# Allegro board Coral-Dev-Board-baseboard-layout-Allegro.brd (continued)
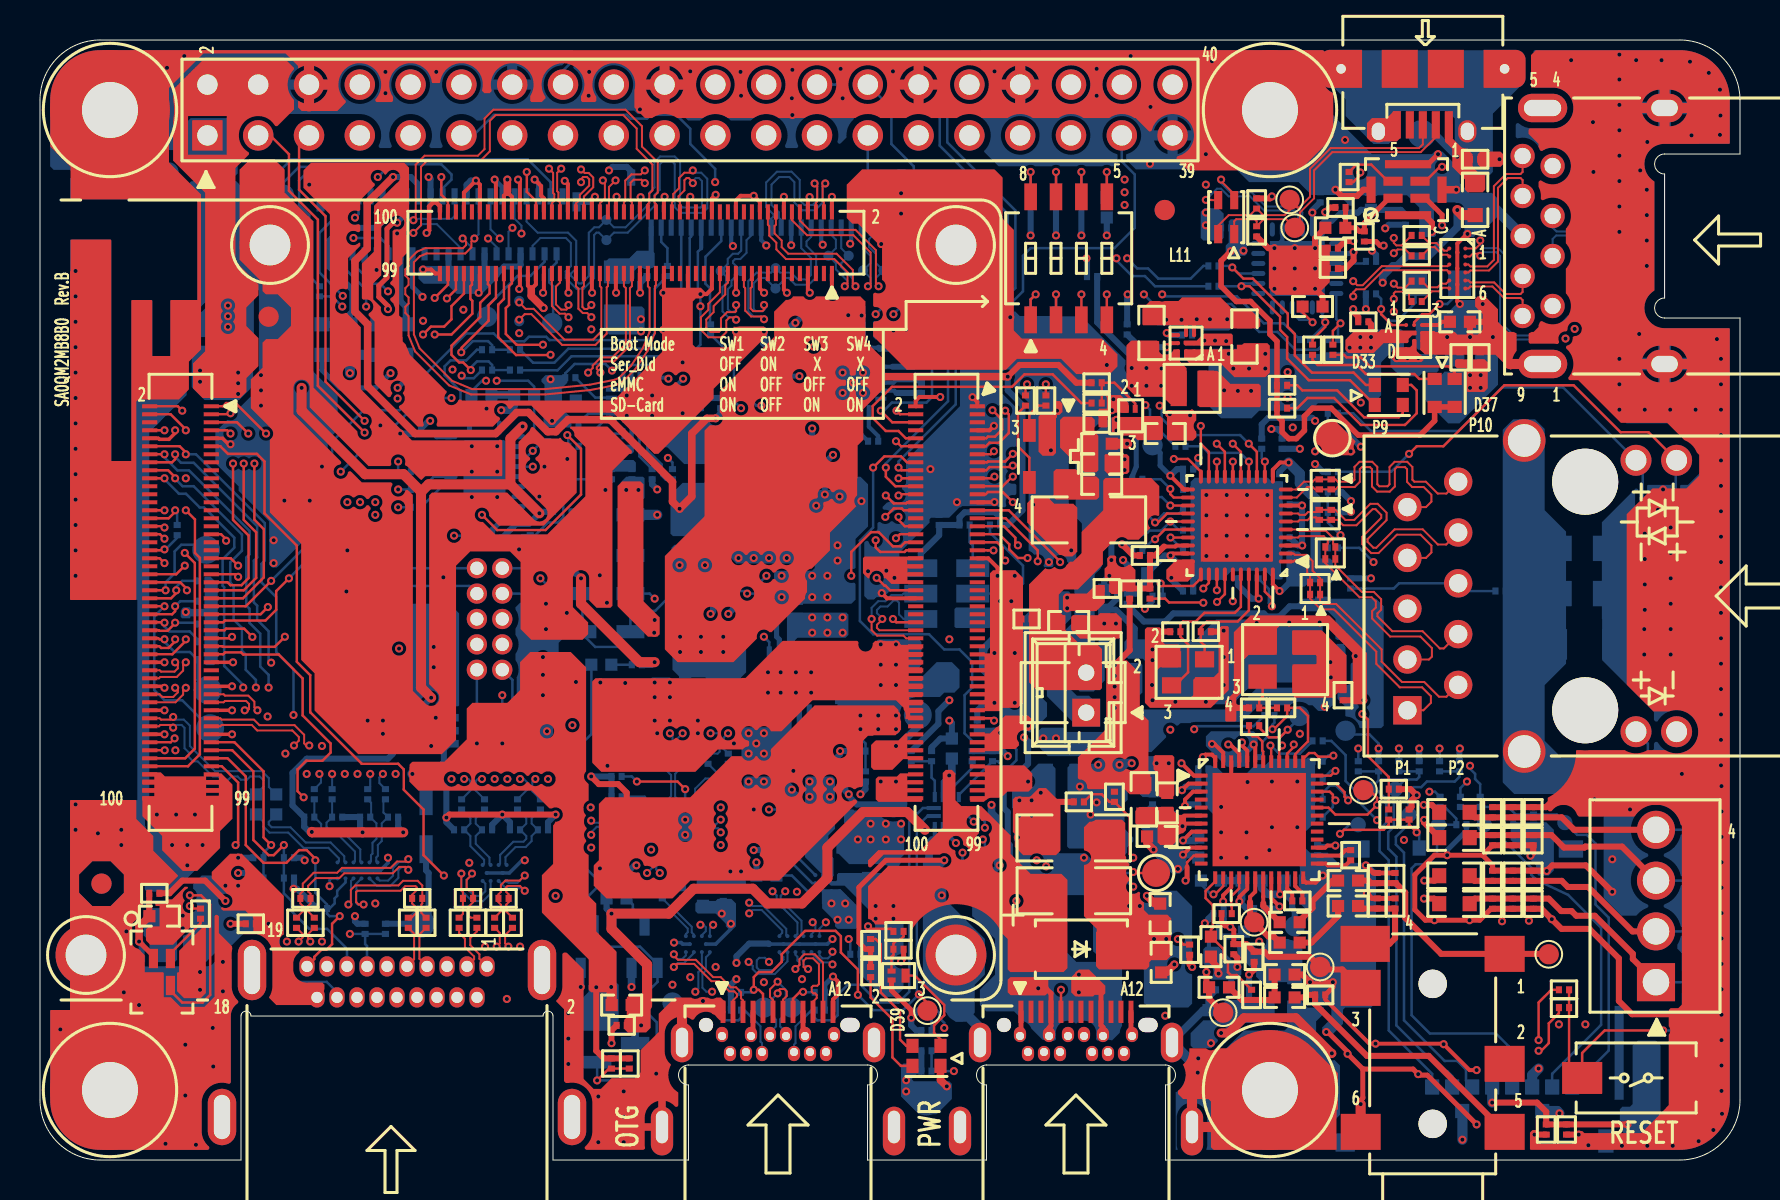
[diagram p0: board, top side]
## Placement (name value [footprint] x y rotation side) (continued)
R114  1K/1%  [0201]  42.93 11.43 180 top
R115  10K_DNP  [0201]  42.93 10.54 180 top
R116  0R_DNP  [0402]  29.08 7.75 0 top
R117  20K  [0201]  29.46 4.83 90 top
R118  10K  [0201]  30.35 8.13 270 bottom
R119  10K  [0201]  29.85 24.77 0 bottom
R120  0R  [0402]  28.07 24.77 180 bottom
R121  45.3K  [0201]  35.56 26.92 180 bottom
R122  0R_DNP  [0201]  34.67 28.19 270 bottom
R123  10K_1%  [0201]  36.83 27.18 90 bottom
R124  10K  [0201]  39.24 20.32 90 bottom
R125  100K  [0201]  36.2 28.32 0 bottom
R126  0R  [0201]  41.28 19.18 90 bottom
R127  100K  [0201]  41.02 20.45 180 bottom
R128  20K  [0201]  38.23 20.32 90 bottom
R129  0R  [0201]  23.75 39.5 0 bottom
R130  0R  [0201]  22.35 39.5 180 bottom
R131  20K  [0201]  39.37 41.53 180 bottom
R132  0R  [0201]  23.75 40.51 0 bottom
R133  0R  [0201]  22.35 40.51 180 bottom
R134  500K  [0201]  34.04 37.85 270 bottom
R135  10  [0201]  29.59 34.29 90 bottom
R136  0R  [0201]  33.53 41.53 90 bottom
R137  0R  [0201]  31.37 44.45 90 bottom
R138  0R  [0201]  59.06 8.51 0 bottom
R139  0R  [0201]  62.61 15.44 0 bottom
R140  4.7K  [0201]  54.86 31.37 0 bottom
R141  0R  [0201]  64.77 23.24 180 bottom
R142  18K  [0201]  33.02 39.24 270 bottom
R143  0R  [0201]  26.67 35.69 0 bottom
R144  10K  [0201]  45.97 13.84 270 bottom
R145  51  [0402]  28.83 13.08 180 bottom
R146  0R_DNP  [0201]  62.1 22.61 0 top
R147  0R  [0201]  61.47 22.23 0 bottom
R148  0R_DNP  [0603]  15.49 41.02 270 bottom
R149  0R_DNP  [0603]  16.89 41.02 270 bottom
R150  0R  [0201]  31.62 34.29 270 bottom
R151  5.1K  [0201]  27.56 34.29 90 bottom
R152  0R  [0603]  14.1 41.02 90 bottom
R153  0R  [0603]  18.29 41.02 90 bottom
R154  1K/1%  [0201]  8.13 28.96 0 bottom
R155  1K_DNP  [0201]  8.13 27.94 0 bottom
R156  1K_DNP  [0201]  8.13 25.91 0 bottom
R157  1K_DNP  [0201]  8.13 26.8 0 bottom
R158  1K_DNP  [0201]  8.13 25.02 0 bottom
R159  100K  [0402]  62.23 9.27 180 top
R160  0R  [0201]  67.95 19.68 270 bottom
R161  10K  [0201]  54.36 41.53 90 bottom
R162  0R  [0402]  69.57 39.24 270 bottom
R163  120R  [0402]  53.34 47.62 270 bottom
R164  0R  [0201]  55.63 18.03 270 bottom
R165  12K  [0402]  26.29 37.97 0 bottom
R166  51K  [0201]  26.67 36.83 0 bottom
R167  4.7K  [0402]  22.07 38.25 0 bottom
R168  4.7K  [0402]  24.21 38.25 180 bottom
R169  0R  [0201]  18.8 35.31 180 bottom
R170  0R  [0201]  18.8 34.42 180 bottom
R171  0R  [0201]  18.8 33.53 180 bottom
R172  0R  [0201]  18.8 32.64 180 bottom
R173  0R_DNP  [0201]  65.02 25.91 270 bottom
R174  0R  [0402]  60.2 10.92 90 bottom
R175  0R_DNP  [0201]  26.52 39.12 180 bottom
R176  0R_DNP  [1206]  51.69 13.46 0 top
R177  4.7K  [0201]  54.86 32.26 0 bottom
R178  4.7K  [0201]  54.86 33.15 0 bottom
R179  0R  [0201]  6.86 31.5 90 bottom
R180  0R  [0201]  76.2 7.62 180 top
R181  0R  [0201]  57.48 10.52 90 top
R182  0R  [0201]  21.84 11.86 270 top
R183  0R  [0201]  20.96 11.86 270 top
R184  0R  [0201]  23.62 11.86 270 top
R185  0R  [0201]  22.73 11.86 270 top
R186  0R  [0201]  19.3 11.86 270 top
R187  0R  [0201]  18.42 11.86 270 top
R188  0R  [0201]  13.72 11.86 270 top
R189  0R  [0201]  12.83 11.86 270 top
R190  0R  [0201]  13.97 43.43 90 bottom
R191  0R_DNP  [0201]  76.2 8.51 180 top
R192  110  [0201]  13.27 13.08 180 top
R193  0R_8  [0805]  77.85 19.05 180 bottom
R194  0R_8  [0805]  77.11 28.32 180 bottom
R195  0R  [0603]  7.11 10.29 0 bottom
R196  51K  [0201]  25.4 35.69 90 bottom
R197  51K  [0201]  24.51 30.99 90 bottom
R198  0R  [0402]  53.09 34.8 0 top
R199  0R  [0402]  51.44 26.92 0 top
R200  0R  [0402]  53.09 33.78 0 top
R201  10K  [0201]  52.83 38.86 180 top
R202  0R  [0201]  50.29 37.97 270 top
R203  0R  [0201]  49.28 37.97 270 top
R204  0R_DNP  [0402]  56.26 36.32 180 top
R205  0R  [0201]  52.83 37.85 0 top
R206  0R  [0201]  5.72 13.34 180 top
R207  0R  [0201]  65.02 47.62 180 top
R208  0R  [0201]  60.71 21.72 0 top
R209  0R  [0201]  65.46 49.15 90 top
R210  0R  [0201]  8.03 12.32 270 top
R211  10K  [0201]  22.86 31.11 0 bottom
SH1  TP NM  [HOLE236-110]  61.5 3.5 0 top
SH2  TP NM  [HOLE236-110]  3.5 3.5 0 top
SH3  TP NM  [HOLE236-110]  61.5 52.5 0 top
SH4  TP NM  [HOLE236-110]  3.5 52.5 0 top
SSH1  stand-off  [HOLE120-80]  45.8 10.25 0 top
SSH2  stand-off  [HOLE120-80]  2.3 10.25 0 top
SSH3  stand-off  [HOLE120-80]  45.8 45.75 0 top
SSH4  stand-off  [HOLE120-80]  11.5 45.75 0 top
SW1  DHN-04-T-Q-T/R  [SW_DIP4_SM]  51.44 45.09 0 top
TP1  TP NM  [TP_SMD]  9.02 38.73 180 bottom
TP2  TP NM  [TP_SMD]  22.35 42.16 180 bottom
TP3  TP NM  [TP_SMD]  66.17 18.49 90 top
TP4  TP NM  [TP2040]  28.32 45.99 180 bottom
TP5  TP NM  [TP_SMD]  25.61 41.85 180 bottom
TP6  TP NM  [TP_SMD_L]  55.8 14.35 90 top
TP7  TP NM  [TP_SMD_L]  56.64 12.45 90 bottom
TP8  TP NM  [TP_SMD_L]  53.42 16.69 90 bottom
TP9  TP NM  [TP_SMD]  82.93 11.43 90 bottom
TP10  TP NM  [TP_SMD]  82.8 8.89 90 bottom
TP11  TP NM  [TP_SMD]  82.93 16.51 90 bottom
TP12  TP NM  [TP_SMD]  61.85 10.54 270 bottom
TP13  TP NM  [TP_SMD]  62.74 11.68 90 bottom
TP14  TP NM  [TP_SMD]  82.93 13.97 90 bottom
TP15  TP NM  [TP_SMD]  62.97 22.2 0 bottom
TP16  TP NM  [TP_SMD]  60.71 11.89 180 top
TP17  TP NM  [TP_SMD]  75.44 10.29 180 top
TP18  TP NM  [TP_SMD]  64.01 9.65 180 top
TP19  TP NM  [TP_SMD]  59.16 7.37 180 top
TP20  TP NM  [TP_SMD]  10.8 48.26 180 bottom
TP21  TP NM  [TP_SMD]  12.19 48.26 180 bottom
TP22  TP NM  [TP_SMD_L]  42.42 10.79 180 bottom
TP23  TP NM  [TP_SMD]  36.2 7.62 180 bottom
TP24  TP NM  [TP_SMD]  37.59 7.62 180 bottom
TP25  TP NM  [TP_SMD]  31.62 7.87 180 bottom
TP26  TP NM  [TP_SMD]  44.37 7.47 0 top
TP27  TP NM  [TP_SMD_L]  47.37 12.57 180 bottom
TP28  TP NM  [TP_SMD_L]  63.88 38.86 180 bottom
TP29  TP NM  [TP_SMD_L]  70.74 37.59 180 bottom
TP30  TP NM  [TP_SMD_L]  69.09 51.31 180 bottom
TP31  TP NM  [TP_SMD]  62.74 46.61 0 top
TP32  TP NM  [TP_SMD]  62.48 48.01 0 top
TP33  TP NM  [TP_SMD_L]  69.09 53.34 180 bottom
TP34  TP NM  [TP_SMD_L]  32.13 27.43 180 bottom
TP35  TP NM  [TP_SMD_L]  45.21 24.13 180 bottom
TP36  TP NM  [TP_SMD_L]  44.32 2.92 180 bottom
TP37  TP NM  [TP_SMD_L]  19.05 26.92 180 bottom
TP38  TP NM  [TP_SMD_L]  42.42 8.89 180 bottom
TP39  TP NM  [TP_SMD_L]  49.78 7.49 180 bottom
TP40  TP NM  [TP_SMD_L]  47.75 8.26 180 bottom
TP41  TP NM  [TP_SMD_L]  49.53 13.97 180 bottom
TP42  TP NM  [TP_SMD_L]  45.97 7.62 180 bottom
TP43  TP NM  [TP_SMD_L]  51.31 14.35 180 bottom
TP44  TP NM  [TP_SMD_L]  64.62 36.09 0 top
TP45  TP NM  [TP_SMD_L]  19.05 11.81 180 bottom
TP46  TP NM  [TP_SMD_L]  10.54 12.57 180 bottom
TP47  TP NM  [TP_SMD]  55.63 35.74 180 bottom
TP48  TP NM  [TP_SMD_L]  43.89 22.25 180 bottom
TP49  TP NM  [TP_SMD_L]  54.86 21.46 180 bottom
TP50  TP NM  [TP_SMD_L]  77.85 43.18 270 bottom
TP51  TP NM  [TP_SMD_L]  77.85 45.21 270 bottom
TP52  TP NM  [TP2040]  28.32 47.01 180 bottom
TP53  TP NM  [TP_SMD_L]  42.67 17.83 180 bottom
TP54  TP NM  [TP_SMD_L]  82.3 6.48 180 bottom
TP55  TP NM  [TP2040]  23.96 42.95 90 bottom
TP56  TP NM  [TP2040]  23.96 41.94 90 bottom
TP57  TP NM  [TP_SMD_L]  52.6 32.53 180 bottom
TP61  TP NM  [TP2040]  42.17 44.48 180 bottom
TP62  TP NM  [TP2040]  41.15 44.48 180 bottom
TP63  TP NM  [TP2040]  40.43 45.21 180 bottom
TP64  TP NM  [TP2040]  39.42 45.21 180 bottom
TP65  TP NM  [TP2040]  36.77 43.58 180 bottom
TP66  TP NM  [TP2040]  36.78 44.59 180 bottom
TP69  TP NM  [TP2040]  35.05 44.45 180 bottom
TP70  TP NM  [TP2040]  34.04 44.45 180 bottom
TP71  TP NM  [TP_SMD]  80.39 5.21 180 bottom
TP72  TP NM  [TP_SMD]  65.28 21.46 180 bottom
TP73  TP NM  [TP3050]  65.91 16.76 180 bottom
TP74  TP NM  [TP3050]  68.45 17.27 180 bottom
TP75  TP NM  [TP3050]  69.93 16.76 180 bottom
TP76  TP NM  [TP3050]  72.21 16.76 180 bottom
TP77  TP NM  [TP3050]  76.24 16.87 180 bottom
TP78  TP NM  [TP3050]  66.5 18.54 180 bottom
TP79  TP NM  [TP3050]  67.77 18.54 180 bottom
TP80  TP NM  [TP_SMD_L]  8.31 30.51 180 bottom
TP81  TP NM  [TP_SMD_L]  8.51 21.59 180 bottom
TP82  TP NM  [TP_SMD_L]  8.38 23.5 180 bottom
U1  RT9397BFGQW  [WQFN20-0_4-3_1X3_1-H0_8MM-1]  40.64 38.86 90 bottom
U2  ALC5645  [CODEC_ALC5645]  60.96 17.02 270 top
U3  MICPHONE SPK0415HM4H-B-7  [MICROPHONE_SPK0415HM4H-B-7]  6.1 9.4 180 top
U4  MICPHONE SPK0415HM4H-B-7  [MICROPHONE_SPK0415HM4H-B-7]  68.33 48.51 270 top
U5  PTN36043BXZ  [DHXQFN18_0P4_2X2P45]  32.26 16.64 270 bottom
U6  NX5P3090UKZ  [WLCSP12_0P4_1P38X1P68MM_SMDP]  68.71 41.15 270 top
U7  TPS61253AYFFT  [WLCSP_BGA3X3]  57.3 40.84 90 top
U8  PCMF3USB3SZ  [WLCSP15_0P4_2P42X1P22_SMDP]  70.87 44.58 270 top
U9  PTN5150AHXMP  [X2QFN12_0P4_1P6X1P6]  45.34 17.4 0 bottom
U10  PCMF3HDMI2SZ  [WLCSP15_0P4_2P42X1P22_SMDP]  15.88 14.48 0 bottom
U11  PCMF2HDMI2SZ  [WLCSP10_0P4_1P2X1P6MM_SMDP]  22.73 14.35 0 bottom
U12  AP3427MDNTR-G1DICT  [DFN_10_3X3]  37.47 23.88 0 bottom
U13  NX5P3090UKZ  [WLCSP12_0P4_1P38X1P68MM_SMDP]  39.37 13.84 0 bottom
U14  KTS1681AEUZ-TR  [WLCSP_BGA3X4]  53.59 14.35 270 bottom
U15  RT8532GQW  [WQFN20-0_4-3_1X3_1-H0_8MM-2]  29.97 37.72 90 bottom
U16  PCMF3USB3SZ  [WLCSP15_0P4_2P42X1P22_SMDP]  37.97 10.79 0 bottom
U17  PCMF2USB3S  [WLCSP10_0P4_1P2X1P6MM_SMDP]  32.89 10.79 0 bottom
U18  RTL8211FD_QFN40  [QFN40-0_4-5X5-H0_9MM]  59.84 31.72 90 top
U19  CP2105-F01-GM  [QFN24_0P5_4X4_EP]  62.87 44.58 0 bottom
U20  TXS0108ERGYR  [VQFN20-0_5-4_65X3_65MM-H1MM]  22.23 34.42 0 bottom
U21  LTC1695CS5_DNP  [SOT23-S5-1695F]  50.42 35.18 180 top
Y1  NX5427001Z_6P  [OSC6_1P27_5P2X3P4]  45.34 28.32 180 bottom
Y2  8Y25000014  [DFN130P250X50-4N]  57.4 24.38 180 top

## Library data of the parts
B2 = SW2-6_0X3_5-H5_2
C1-C11 C13-C15 C18-C20 C22 C27-C30 C35 C37 C41 C43-C45 C53 C55-C69 C71 C73 C75-C81 C83 C86 C87 C89 C92-C94 C96 C105 C110-C113 C115-C126 C128-C137 C143 C146-C151 ESD1-ESD23 R1-R14 R17 R18 R20-R25 R27-R30 R32-R54 R60-R83 R85-R115 R117-R119 R121-R144 R146 R147 R150 R151 R154-R158 R161 R164 R166 R169-R173 R175 R177-R192 R196 R197 R201-R203 R205-R211 = 0201
C12 C16 C17 C24 C25 C31 C34 C36 C38-C40 C46 C47 C49-C52 C54 C70 C72 C88 C91 C97-C104 C106-C109 C114 C127 C140-C142 C144 FB4 FB11 FB12 R15 R16 R19 R31 R116 R120 R145 R159 R162 R163 R165 R167 R168 R174 R198-R200 R204 = 0402
C21 C23 C26 C32 C33 C42 C74 C84 C85 C90 C95 C138 C139 FB1-FB3 FB5-FB10 R148 R149 R152 R153 R195 = 0603
C48 C82 C145 R26 R176 = 1206
D1 D13 = 0805-DIODE
D2-D4 D6 D7 D10 = 0201-DIODE
D5 D12 = SMA-DIODE
D9 D38 D40-D42 = SOD323
D33 D37 D39 = LED_0606
F1 F3 R84 R193 R194 = 0805
J1 J2 = USB12_0_5-UCF3M-11N30-0P25
J3 = USB9-3_0-TAR24-9V1396
J4 = AUDIO-2SJ2296-000111
J5 = HDMI19-HMR2G-AK120C
J6 = SIP2-2MM-6X4_8MM-50312
J8 = CON9_SDCARD_8PIN_SCHA4B0419
J9 = SIP4-2_54-S4704A18220100
J10 = USB5-0_65-ZX62D-AB-5P8-2
J11 = RJ45-LED-2TJ1610-005111F
J12 = HD2X5-1_27MM-3_35MM
J15 = HTSW-120-41-G-D
J1310-J1312 = DF40HC-3_0-100DS-0_4V-51
L1 L5-L7 = PL4-DLP0NSN121HL2L
L2 L3 L9 = INDC2016X12L
L4 = AP3-00115
L8 = 0805_PADS
L11 = IND4_CHOKE_0805
OSC1 = 4-SMD-OSC
P1 = FPC24-0_5-14_18X4_71MM
P3 = FPC39-FH26W-39S-0_3SHW
Q1 Q3 Q19 = DFN10106B
Q8 = SOT-363_0P65_SMT
Q21 = SOT-23
Q22 Q23 = SOT323_3
R55-R59 R160 = 0201: signal model: 0201_ERJ-1GN0R00C
SH1-SH4 = HOLE236-110
SSH1-SSH4 = HOLE120-80
SW1 = SW_DIP4_SM
TP1-TP3 TP5 TP9-TP21 TP23-TP26 TP31 TP32 TP47 TP71 TP72 = TP_SMD
TP4 TP52 TP55 TP56 TP61-TP66 TP69 TP70 = TP2040
TP6-TP8 TP22 TP27-TP30 TP33-TP46 TP48-TP51 TP53 TP54 TP57 TP80-TP82 = TP_SMD_L
TP73-TP79 = TP3050
U1 = WQFN20-0_4-3_1X3_1-H0_8MM-1
U2 = CODEC_ALC5645
U3 U4 = MICROPHONE_SPK0415HM4H-B-7
U5 = DHXQFN18_0P4_2X2P45
U6 U13 = WLCSP12_0P4_1P38X1P68MM_SMDP
U7 = WLCSP_BGA3X3
U8 U10 U16 = WLCSP15_0P4_2P42X1P22_SMDP
U9 = X2QFN12_0P4_1P6X1P6
U11 U17 = WLCSP10_0P4_1P2X1P6MM_SMDP
U12 = DFN_10_3X3
U14 = WLCSP_BGA3X4
U15 = WQFN20-0_4-3_1X3_1-H0_8MM-2
U18 = QFN40-0_4-5X5-H0_9MM
U19 = QFN24_0P5_4X4_EP
U20 = VQFN20-0_5-4_65X3_65MM-H1MM
U21 = SOT23-S5-1695F
Y1 = OSC6_1P27_5P2X3P4
Y2 = DFN130P250X50-4N

## Footprints (pads in the part's own frame, mm; a bottom-side part is the same pattern mirrored in y, then rotated)
4-SMD-OSC
  rect 1.422x1.219 smd: 1(-1.1,-0.85) 2(1.1,-0.85) 3(1.1,0.85) 4(-1.1,0.85)
0201
  rect 0.305x0.356 smd: 1(-0.254,0) 2(0.254,0)
0201-DIODE
  rect 0.305x0.356 smd: A(-0.254,0) K(0.254,0)
0402
  rect 0.61x0.61 smd: 1(-0.5,0) 2(0.5,0)
0603
  rect 0.711x0.762 smd: 1(-0.762,0) 2(0.762,0)
0805
  rect 1.143x1.27 smd: 1(-1.1,0) 2(1.1,0)
0805-DIODE
  rect 1.143x1.27 smd: A(-1.1,0) K(1.1,0)
0805_PADS
  rect 0.61x1.295 smd: 1(-0.75,0) 2(0.75,0)
1206
  rect 1.524x1.524 smd: 1(-1.65,0) 2(1.65,0)
AP3-00115
  rect 1.27x3.302 smd: 1(-1.2,0) 2(1.2,0)
AUDIO-2SJ2296-000111
  round 1.422 hole 1.422 unplated: (-3.5,0) (3.5,0)
  rect 1.803x2.007 smd: 1(-5,3.6) 2(0.5,3.6) 3(-3.3,-3.6) 5(3.9,3.6) 6(3.9,-3.6)
  rect 1.803x2.464 smd: 4(-5.5,-3.375)
CODEC_ALC5645
  rect 0.203x0.635 smd: 1(-2.2,-2.9) 2(-1.8,-2.9) 3(-1.4,-2.9) 4(-1,-2.9) 5(-0.6,-2.9) 6(-0.2,-2.9) 7(0.2,-2.9) 8(0.6,-2.9) 9(1,-2.9) 10(1.4,-2.9) 11(1.8,-2.9) 12(2.2,-2.9) 25(2.2,2.9) 26(1.8,2.9) 27(1.4,2.9) 28(1,2.9) 29(0.6,2.9) 30(0.2,2.9) 31(-0.2,2.9) 32(-0.6,2.9) 33(-1,2.9) 34(-1.4,2.9) 35(-1.8,2.9) 36(-2.2,2.9)
  rect 0.635x0.203 smd: 13(2.9,-2.2) 14(2.9,-1.8) 15(2.9,-1.4) 16(2.9,-1) 17(2.9,-0.6) 18(2.9,-0.2) 19(2.9,0.2) 20(2.9,0.6) 21(2.9,1) 22(2.9,1.4) 23(2.9,1.8) 24(2.9,2.2) 37(-2.9,2.2) 38(-2.9,1.8) 39(-2.9,1.4) 40(-2.9,1) 41(-2.9,0.6) 42(-2.9,0.2) 43(-2.9,-0.2) 44(-2.9,-0.6) 45(-2.9,-1) 46(-2.9,-1.4) 47(-2.9,-1.8) 48(-2.9,-2.2)
  rect 4.674x4.674 smd: 49(0,0)
CON9_SDCARD_8PIN_SCHA4B0419
  rect 0.711x0.762 smd: 1(2.225,-4.595) 2(1.225,-4.595) 3(0.225,-4.595) 4(-0.775,-4.595) 5(-1.775,-4.595) 6(-2.775,-4.595) 7(-3.775,-4.595) 8(-4.775,-4.595)
  rect 0.66x0.762 smd: 9(2.875,7.356) G3(-3.475,7.356)
  rect 1.219x0.864 smd: 13(-4.712,7.305)
  rect 1.321x0.864 smd: 14(6.012,7.305)
  rect 0.457x4.699 smd: 15(-7.122,-2.885)
  rect 0.762x1.168 smd: 16(-6.46,-7.295)
  rect 0.965x0.914 smd: 17(6.575,-7.37)
  rect 0.711x0.711 smd: G1(0.725,-5.795) G2(-3.275,-5.795)
DF40HC-3_0-100DS-0_4V-51
  rect 0.203x0.762 smd: 1(-9.8,1.54) 2(-9.8,-1.54) 3(-9.4,1.54) 4(-9.4,-1.54) 5(-9,1.54) 6(-9,-1.54) 7(-8.6,1.54) 8(-8.6,-1.54) 9(-8.2,1.54) 10(-8.2,-1.54) 11(-7.8,1.54) 12(-7.8,-1.54) 13(-7.4,1.54) 14(-7.4,-1.54) 15(-7,1.54) 16(-7,-1.54) 17(-6.6,1.54) 18(-6.6,-1.54) 19(-6.2,1.54) 20(-6.2,-1.54) 21(-5.8,1.54) 22(-5.8,-1.54) 23(-5.4,1.54) 24(-5.4,-1.54) 25(-5,1.54) 26(-5,-1.54) 27(-4.6,1.54) 28(-4.6,-1.54) 29(-4.2,1.54) 30(-4.2,-1.54) 31(-3.8,1.54) 32(-3.8,-1.54) 33(-3.4,1.54) 34(-3.4,-1.54) 35(-3,1.54) 36(-3,-1.54) 37(-2.6,1.54) 38(-2.6,-1.54) 39(-2.2,1.54) 40(-2.2,-1.54) 41(-1.8,1.54) 42(-1.8,-1.54) 43(-1.4,1.54) 44(-1.4,-1.54) 45(-1,1.54) 46(-1,-1.54) 47(-0.6,1.54) 48(-0.6,-1.54) 49(-0.2,1.54) 50(-0.2,-1.54) 51(0.2,1.54) 52(0.2,-1.54) 53(0.6,1.54) 54(0.6,-1.54) 55(1,1.54) 56(1,-1.54) 57(1.4,1.54) 58(1.4,-1.54) 59(1.8,1.54) 60(1.8,-1.54) 61(2.2,1.54) 62(2.2,-1.54) 63(2.6,1.54) 64(2.6,-1.54) 65(3,1.54) 66(3,-1.54) 67(3.4,1.54) 68(3.4,-1.54) 69(3.8,1.54) 70(3.8,-1.54) 71(4.2,1.54) 72(4.2,-1.54) 73(4.6,1.54) 74(4.6,-1.54) 75(5,1.54) 76(5,-1.54) 77(5.4,1.54) 78(5.4,-1.54) 79(5.8,1.54) 80(5.8,-1.54) 81(6.2,1.54) 82(6.2,-1.54) 83(6.6,1.54) 84(6.6,-1.54) 85(7,1.54) 86(7,-1.54) 87(7.4,1.54) 88(7.4,-1.54) 89(7.8,1.54) 90(7.8,-1.54) 91(8.2,1.54) 92(8.2,-1.54) 93(8.6,1.54) 94(8.6,-1.54) 95(9,1.54) 96(9,-1.54) 97(9.4,1.54) 98(9.4,-1.54) 99(9.8,1.54) 100(9.8,-1.54)
DFN130P250X50-4N
  rect 0.965x0.813 smd: 1(-0.825,-0.65) 2(0.825,-0.65) 3(0.825,0.65) 4(-0.825,0.65)
DFN10106B
  rect 0.406x0.254 smd: 1(0.35,-0.225) 2(0.35,0.225)
  rect 0.406x0.711 smd: 3(-0.35,0)
DFN_10_3X3
  rect 0.254x0.711 smd: 1(-1,-1.45) 2(-0.5,-1.45) 3(0,-1.45) 4(0.5,-1.45) 5(1,-1.45) 6(1,1.45) 7(0.5,1.45) 8(0,1.45) 9(-0.5,1.45) 10(-1,1.45)
  rect 2.515x1.702 smd: 11(0,0)
DHXQFN18_0P4_2X2P45
  rect 0.203x0.457 smd: 1(-0.6,-0.925) 2(-0.2,-0.925) 3(0.2,-0.925) 4(0.6,-0.925) 10(0.6,0.925) 11(0.2,0.925) 12(-0.2,0.925) 13(-0.6,0.925)
  rect 0.457x0.203 smd: 5(1.125,-0.8) 6(1.125,-0.4) 7(1.125,0) 8(1.125,0.4) 9(1.125,0.8) 14(-1.125,0.8) 15(-1.125,0.4) 16(-1.125,0) 17(-1.125,-0.4) 18(-1.125,-0.8)
  rect 1.422x1.016 smd: 19(0,0)
FPC24-0_5-14_18X4_71MM
  rect 0.254x0.813 smd: 1(5.75,0) 2(5.25,0) 3(4.75,0) 4(4.25,0) 5(3.75,0) 6(3.25,0) 7(2.75,0) 8(2.25,0) 9(1.75,0) 10(1.25,0) 11(0.75,0) 12(0.25,0) 13(-0.25,0) 14(-0.75,0) 15(-1.25,0) 16(-1.75,0) 17(-2.25,0) 18(-2.75,0) 19(-3.25,0) 20(-3.75,0) 21(-4.25,0) 22(-4.75,0) 23(-5.25,0) 24(-5.75,0)
  rect 0.406x0.813 smd: 25(-6.75,-2.5) 26(6.75,-2.5)
FPC39-FH26W-39S-0_3SHW
  rect 0.305x0.813 smd: 1(5.7,-2.875) 3(5.1,-2.875) 5(4.5,-2.875) 7(3.9,-2.875) 9(3.3,-2.875) 11(2.7,-2.875) 13(2.1,-2.875) 15(1.5,-2.875) 17(0.9,-2.875) 19(0.3,-2.875) 21(-0.3,-2.875) 23(-0.9,-2.875) 25(-1.5,-2.875) 27(-2.1,-2.875) 29(-2.7,-2.875) 31(-3.3,-2.875) 33(-3.9,-2.875) 35(-4.5,-2.875) 37(-5.1,-2.875) 39(-5.7,-2.875)
  rect 0.305x0.66 smd: 2(5.4,0) 4(4.8,0) 6(4.2,0) 8(3.6,0) 10(3,0) 12(2.4,0) 14(1.8,0) 16(1.2,0) 18(0.6,0) 20(0,0) 22(-0.6,0) 24(-1.2,0) 26(-1.8,0) 28(-2.4,0) 30(-3,0) 32(-3.6,0) 34(-4.2,0) 36(-4.8,0) 38(-5.4,0)
  rect 0.406x0.965 smd: MT1(-6.4,-2.6) MT2(6.4,-2.6)
HD2X5-1_27MM-3_35MM
  round 1.016 hole 0.66: 1(-2.54,-0.635) 2(-2.54,0.635) 3(-1.27,-0.635) 4(-1.27,0.635) 5(0,-0.635) 6(0,0.635) 7(1.27,-0.635) 8(1.27,0.635) 9(2.54,-0.635) 10(2.54,0.635)
HDMI19-HMR2G-AK120C
  oval 0.762x1.016 hole 0.559: 1(4.5,5.455) 2(4,3.905) 3(3.5,5.455) 4(3,3.905) 5(2.5,5.455) 6(2,3.905) 7(1.5,5.455) 8(1,3.905) 9(0.5,5.455) 10(0,3.905) 11(-0.5,5.455) 12(-1,3.905) 13(-1.5,5.455) 14(-2,3.905) 15(-2.5,5.455) 16(-3,3.905) 17(-3.5,5.455) 18(-4,3.905) 19(-4.5,5.455)
  oval 1.422x3.023 hole 0.813x2.413: 20(-7.25,5.275) 21(7.25,5.275)
  oval 1.422x2.819 hole 0.813x2.21: 22(-8.75,-2.075) 23(8.75,-2.075)
HOLE120-80
  round 3.048 hole 2.032: 1(0,0)
HOLE236-110
  round 5.994 hole 2.794: 1(0,0)
HTSW-120-41-G-D
  rect 1.524x1.524 hole 1.016: 1(-24.13,-1.27)
  round 1.524 hole 1.016: 2(-24.13,1.27) 3(-21.59,-1.27) 4(-21.59,1.27) 5(-19.05,-1.27) 6(-19.05,1.27) 7(-16.51,-1.27) 8(-16.51,1.27) 9(-13.97,-1.27) 10(-13.97,1.27) 11(-11.43,-1.27) 12(-11.43,1.27) 13(-8.89,-1.27) 14(-8.89,1.27) 15(-6.35,-1.27) 16(-6.35,1.27) 17(-3.81,-1.27) 18(-3.81,1.27) 19(-1.27,-1.27) 20(-1.27,1.27) 21(1.27,-1.27) 22(1.27,1.27) 23(3.81,-1.27) 24(3.81,1.27) 25(6.35,-1.27) 26(6.35,1.27) 27(8.89,-1.27) 28(8.89,1.27) 29(11.43,-1.27) 30(11.43,1.27) 31(13.97,-1.27) 32(13.97,1.27) 33(16.51,-1.27) 34(16.51,1.27) 35(19.05,-1.27) 36(19.05,1.27) 37(21.59,-1.27) 38(21.59,1.27) 39(24.13,-1.27) 40(24.13,1.27)
IND4_CHOKE_0805
  rect 0.914x0.406 smd: 1(0.85,0.4) 2(-0.85,0.4) 3(-0.85,-0.4) 4(0.85,-0.4)
INDC2016X12L
  rect 0.813x1.778 smd: 1(-0.675,0) 2(0.675,0)
LED_0606
  rect 0.61x0.711 smd: 1(-0.7,0.5) 2(0.7,0.5) 3(-0.7,-0.5) 4(0.7,-0.5)
MICROPHONE_SPK0415HM4H-B-7
  rect 0.457x0.965 smd: 1(0.425,-0.675) 2(0.425,0.675) 3(-0.425,0.675) 4(-0.425,-0.675)
  rect 1.321x0.457 smd: 5(0,-1.775) 7(0,1.775)
  rect 0.406x2.311 smd: 6(1.275,0.075) 8(-1.275,0.075)
OSC6_1P27_5P2X3P4
  rect 1.651x0.889 smd: 1(-1.3,1.27) 2(-1.3,0) 3(-1.3,-1.27) 4(1.3,-1.27) 5(1.3,0) 6(1.3,1.27)
PL4-DLP0NSN121HL2L
  rect 0.381x0.305 smd: 1(-0.3,-0.25) 2(0.3,-0.25) 3(0.3,0.25) 4(-0.3,0.25)
QFN24_0P5_4X4_EP
  oval 0.254x0.711 smd: 1(-1.25,-1.95) 2(-0.75,-1.95) 3(-0.25,-1.95) 4(0.25,-1.95) 5(0.75,-1.95) 6(1.25,-1.95) 13(1.25,1.95) 14(0.75,1.95) 15(0.25,1.95) 16(-0.25,1.95) 17(-0.75,1.95) 18(-1.25,1.95)
  oval 0.711x0.254 smd: 7(1.95,-1.25) 8(1.95,-0.75) 9(1.95,-0.25) 10(1.95,0.25) 11(1.95,0.75) 12(1.95,1.25) 19(-1.95,1.25) 20(-1.95,0.75) 21(-1.95,0.25) 22(-1.95,-0.25) 23(-1.95,-0.75) 24(-1.95,-1.25)
  rect 2.743x2.743 smd: 25(0,0)
QFN40-0_4-5X5-H0_9MM
  oval 0.203x0.711 smd: 1(-1.8,-2.45) 2(-1.4,-2.45) 3(-1,-2.45) 4(-0.6,-2.45) 5(-0.2,-2.45) 6(0.2,-2.45) 7(0.6,-2.45) 8(1,-2.45) 9(1.4,-2.45) 10(1.8,-2.45) 21(1.8,2.45) 22(1.4,2.45) 23(1,2.45) 24(0.6,2.45) 25(0.2,2.45) 26(-0.2,2.45) 27(-0.6,2.45) 28(-1,2.45) 29(-1.4,2.45) 30(-1.8,2.45)
  oval 0.711x0.203 smd: 11(2.45,-1.8) 12(2.45,-1.4) 13(2.45,-1) 14(2.45,-0.6) 15(2.45,-0.2) 16(2.45,0.2) 17(2.45,0.6) 18(2.45,1) 19(2.45,1.4) 20(2.45,1.8) 31(-2.45,1.8) 32(-2.45,1.4) 33(-2.45,1) 34(-2.45,0.6) 35(-2.45,0.2) 36(-2.45,-0.2) 37(-2.45,-0.6) 38(-2.45,-1) 39(-2.45,-1.4) 40(-2.45,-1.8)
  rect 3.607x3.607 smd: 41(0,0)
RJ45-LED-2TJ1610-005111F
  round 3.302 hole 3.302 unplated: (-5.715,0) (5.715,0)
  round 1.549 hole 1.041: L1(-6.785,-4.57) L2(-6.785,-2.54) L3(6.785,-4.57) L4(6.785,-2.54)
  rect 1.422x1.422 hole 0.914: P1(-5.715,8.89)
  round 1.422 hole 0.914: P2(-4.445,6.35) P3(-3.175,8.89) P4(-1.905,6.35) P5(-0.635,8.89) P6(0.635,6.35) P7(1.905,8.89) P8(3.175,6.35) P9(4.445,8.89) P10(5.715,6.35)
  round 2.134 hole 1.626: SH1(-7.775,3.05) SH2(7.775,3.05)
SIP2-2MM-6X4_8MM-50312
  rect 1.397x1.397 hole 0.813: 1(-1,-0.65)
  round 1.397 hole 0.813: 2(1,-0.65)
SIP4-2_54-S4704A18220100
  rect 1.905x1.905 hole 1.321: 1(-3.81,0)
  round 1.905 hole 1.321: 2(-1.27,0) 3(1.27,0) 4(3.81,0)
SMA-DIODE
  rect 2.54x1.727 smd: A(-2,0) C(2,0)
SOD323
  rect 0.66x1.397 smd: A(0,1.2) C(0,-1.2)
SOT23-S5-1695F
  rect 0.635x1.143 smd: 1(-0.95,-1.3) 2(0,-1.3) 3(0.95,-1.3) 4(0.95,1.3) 5(-0.95,1.3)
SOT323_3
  rect 0.508x1.016 smd: 1(0.65,-1.06) 2(-0.65,-1.06) 3(0,1.06)
SOT-23
  rect 1.422x0.635 smd: 1(-0.95,0.95) 2(-0.95,-0.95) 3(0.95,0)
SOT-363_0P65_SMT
  rect 0.762x0.381 smd: 1(-1.085,0.65) 2(-1.085,0) 3(-1.085,-0.65) 4(1.085,-0.65) 5(1.085,0) 6(1.085,0.65)
SW2-6_0X3_5-H5_2
  rect 2.007x1.6 smd: 1(-2.7,0) 2(2.7,0)
SW_DIP4_SM
  rect 0.635x1.346 smd: 1(-1.905,-3.075) 2(-0.635,-3.075) 3(0.635,-3.075) 4(1.905,-3.075) 5(1.905,3.075) 6(0.635,3.075) 7(-0.635,3.075) 8(-1.905,3.075)
TP2040
  round 0.508 smd: 1(0,0)
TP3050
  round 0.762 smd: 1(0,0)
TP_SMD
  round 1.016 smd: 1(0,0)
TP_SMD_L
  round 1.397 smd: 1(0,0)
unnamed
  round 1.016 smd: 1(0,0)
USB5-0_65-ZX62D-AB-5P8-2
  rect 0.406x1.372 smd: 1(-1.3,1.237) 2(-0.65,1.237) 3(0,1.237) 4(0.65,1.237) 5(1.3,1.237)
  oval 0.914x1.118 hole 0.66x0.864: 6(-2.225,1.563) 7(2.225,1.563)
  custom 2.1x1.9 hole 1.27x0.838: 8(-4.088,-1.563) 11(4.088,-1.563)
  rect 1.803x1.905 smd: 9(-1.152,-1.563) 10(1.152,-1.563)
USB9-3_0-TAR24-9V1396
  round 1.219 hole 0.813: 1(-3.5,2.05) 2(-1,2.05) 3(1,2.05) 4(3.5,2.05) 5(4,3.55) 6(2,3.55) 7(0,3.55) 8(-2,3.55) 9(-4,3.55)
  oval 1.422x2.464 hole 0.813x1.854: 10(-6.4,2.55) 11(6.4,2.55)
  oval 1.422x1.905 hole 0.813x1.321: 12(-6.4,-3.55) 13(6.4,-3.55)
USB12_0_5-UCF3M-11N30-0P25
  round 0.711 hole 0.711 unplated: (-3.6,0)
  oval 0.965x0.711 hole 0.965x0.711 unplated: (3.6,0)
  rect 0.254x1.118 smd: A1(-2.75,0.66) A2(-2.25,0.66) A3(-1.75,0.66) A4(-1.25,0.66) A5(-0.75,0.66) A6(-0.25,0.66) A7(0.25,0.66) A8(0.75,0.66) A9(1.25,0.66) A10(1.75,0.66) A11(2.25,0.66) A12(2.75,0.66)
  oval 0.61x0.762 hole 0.406: B1(2.8,-0.55) B2(2.4,-1.35) B3(1.6,-1.35) B4(1.35,-0.55) B5(0.8,-1.35) B6(0.4,-0.55) B7(-0.4,-0.55) B8(-0.8,-1.35) B9(-1.35,-0.55) B10(-1.6,-1.35) B11(-2.4,-1.35) B12(-2.8,-0.55)
  oval 1.118x1.981 hole 0.61x1.473: SH1(-4.8,-0.875) SH2(4.8,-0.875)
  oval 1.118x2.438 hole 0.61x1.626: SH3(-5.8,-5.1) SH4(5.8,-5.1)
VQFN20-0_5-4_65X3_65MM-H1MM
  oval 0.254x0.711 smd: 1(0.75,-2.2) 10(0.75,2.2) 11(-0.75,2.2) 20(-0.75,-2.2)
  oval 0.711x0.254 smd: 2(1.7,-1.75) 3(1.7,-1.25) 4(1.7,-0.75) 5(1.7,-0.25) 6(1.7,0.25) 7(1.7,0.75) 8(1.7,1.25) 9(1.7,1.75) 12(-1.7,1.75) 13(-1.7,1.25) 14(-1.7,0.75) 15(-1.7,0.25) 16(-1.7,-0.25) 17(-1.7,-0.75) 18(-1.7,-1.25) 19(-1.7,-1.75)
  rect 2.083x3.099 smd: 21(0,0)
WLCSP10_0P4_1P2X1P6MM_SMDP
  round 0.203 smd: A1(-0.6,0.4) A2(-0.2,0.4) A3(0.2,0.4) A4(0.6,0.4) B1(-0.4,0) B2(0.4,0) C1(-0.6,-0.4) C2(-0.2,-0.4) C3(0.2,-0.4) C4(0.6,-0.4)
WLCSP12_0P4_1P38X1P68MM_SMDP
  round 0.203 smd: A1(-0.6,-0.4) A2(-0.6,0) A3(-0.6,0.4) B1(-0.2,-0.4) B2(-0.2,0) B3(-0.2,0.4) C1(0.2,-0.4) C2(0.2,0) C3(0.2,0.4) D1(0.6,-0.4) D2(0.6,0) D3(0.6,0.4)
WLCSP15_0P4_2P42X1P22_SMDP
  round 0.203 smd: A1(-1,0.4) A2(-0.6,0.4) A3(-0.2,0.4) A4(0.2,0.4) A5(0.6,0.4) A6(1,0.4) B1(-0.8,0) B2(0,0) B3(0.8,0) C1(-1,-0.4) C2(-0.6,-0.4) C3(-0.2,-0.4) C4(0.2,-0.4) C5(0.6,-0.4) C6(1,-0.4)
WLCSP_BGA3X3
  round 0.203 smd: A1(-0.4,-0.4) A2(-0.4,0) A3(-0.4,0.4) B1(0,-0.4) B2(0,0) B3(0,0.4) C1(0.4,-0.4) C2(0.4,0) C3(0.4,0.4)
WLCSP_BGA3X4
  round 0.203 smd: A1(-0.4,-0.6) A2(-0.4,-0.2) A3(-0.4,0.2) A4(-0.4,0.6) B1(0,-0.6) B2(0,-0.2) B3(0,0.2) B4(0,0.6) C1(0.4,-0.6) C2(0.4,-0.2) C3(0.4,0.2) C4(0.4,0.6)
WQFN20-0_4-3_1X3_1-H0_8MM-1
  rect 0.203x0.559 smd: 1(-0.8,-1.4) 2(-0.4,-1.4) 3(0,-1.4) 4(0.4,-1.4) 5(0.8,-1.4) 11(0.8,1.4) 12(0.4,1.4) 13(0,1.4) 14(-0.4,1.4) 15(-0.8,1.4)
  rect 0.559x0.203 smd: 6(1.4,-0.8) 7(1.4,-0.4) 8(1.4,0) 9(1.4,0.4) 10(1.4,0.8) 16(-1.4,0.8) 17(-1.4,0.4) 18(-1.4,0) 19(-1.4,-0.4) 20(-1.4,-0.8)
  rect 1.702x1.702 smd: 21(0,0)
WQFN20-0_4-3_1X3_1-H0_8MM-2
  rect 0.203x0.559 smd: 1(-0.8,-1.4) 2(-0.4,-1.4) 3(0,-1.4) 4(0.4,-1.4) 5(0.8,-1.4) 11(0.8,1.4) 12(0.4,1.4) 13(0,1.4) 14(-0.4,1.4) 15(-0.8,1.4)
  rect 0.559x0.203 smd: 6(1.4,-0.8) 7(1.4,-0.4) 8(1.4,0) 9(1.4,0.4) 10(1.4,0.8) 16(-1.4,0.8) 17(-1.4,0.4) 18(-1.4,0) 19(-1.4,-0.4) 20(-1.4,-0.8)
  rect 1.702x1.702 smd: 21(0,0)
X2QFN12_0P4_1P6X1P6
  rect 0.711x0.203 smd: 1(-0.65,0.2) 2(-0.65,-0.2) 7(0.65,-0.2) 8(0.65,0.2)
  rect 0.203x0.508 smd: 3(-0.6,-0.75) 4(-0.2,-0.75) 5(0.2,-0.75) 6(0.6,-0.75) 9(0.6,0.75) 10(0.2,0.75) 11(-0.2,0.75) 12(-0.6,0.75)

## Nets
AGND: C6.2 C9.2 C12.2 C24.1 C27.2 C28.2 C35.2 C36.2 C37.2 C38.2 C39.2 C135.1 C136.1 C137.1 C140.2 ESD9.1 ESD10.1 ESD11.1 J4.6 R24.2 R138.2 R139.2 R159.1 R164.2 U2.10 U2.17 U2.24
DVDD_RG: C68.1 C72.1 R52.2 R60.1 R63.2 R64.2 R83.1 R140.1 R177.1 R178.1 U18.28
GND: B2.1 C1.1 C2.1 C3.2 C4.2 C5.2 C10.2 C11.2 C16.2 C17.2 C18.1 C19.1 C20.2 C21.2 C22.2 C23.2 C25.2 C26.2 C30.2 C31.2 C32.2 C33.2 C34.2 C40.2 C41.2 C42.2 C43.2 C44.2 C45.2 C46.2 C47.2 C48.2 C49.2 C50.2 C52.2 C53.1 C59.1 C64.2 C65.2 C66.2 C67.2 C68.2 C69.2 C70.2 C71.2 C72.2 C73.2 C74.2 C75.2 C76.2 C77.2 C78.2 C79.2 C80.2 C81.2 C82.1 C83.2 C84.2 C85.2 C86.2 C87.2 C88.2 C89.2 C90.2 C91.2 C93.2 C94.2 C95.2 C97.2 C98.2 C99.2 C100.2 C101.2 C102.2 C103.2 C104.2 C106.2 C108.2 C109.2 C110.2 C111.2 C112.2 C113.2 C114.2 C120.2 C123.1 C124.1 C125.2 C126.2 C128.1 C129.2 C130.1 C131.1 C132.1 C133.2 C134.1 C138.2 C139.2 C141.2 C142.2 C143.2 C144.2 C145.2 C146.1 C148.1 C149.1 C150.1 D2.A D3.A D4.A D6.A D7.A D10.A D39.4 ESD1.1 ESD2.1 ESD3.1 ESD4.1 ESD5.1 ESD6.1 ESD7.1 ESD8.1 ESD12.1 ESD13.1 ESD14.1 ESD15.1 ESD16.1 ESD17.1 ESD18.1 ESD19.1 ESD20.1 ESD21.1 ESD22.1 ESD23.1 FB6.2 J1.A1 J1.A12 J1.B1 J1.B12 J1.SH1 J1.SH2 J1.SH3 J1.SH4 J2.A1 J2.A12 J2.B1 J2.B12 J2.SH1 J2.SH2 J2.SH3 J2.SH4 J3.4 J3.7 J3.10 J3.11 J3.12 J3.13 J5.2 J5.5 J5.8 J5.11 J5.17 J5.20 J5.21 J5.22 J5.23 J8.6 J8.G1 J8.G2 J8.G3 J11.L1 J12.3 J12.5 J15.6 J15.9 J15.14 J15.20 J15.25 J15.30 J15.34 J15.39 J1310.1 J1310.2 J1310.7 J1310.25 J1310.39 J1310.40 J1310.42 J1310.44 J1310.46 J1310.50 J1310.56 J1310.62 J1310.63 J1310.64 J1310.65 J1310.66 J1310.67 J1310.68 J1310.69 J1310.70 J1310.71 J1310.72 J1310.73 J1310.74 J1310.75 J1310.76 J1310.77 J1310.78 J1310.80 J1311.1 J1311.2 J1311.7 J1311.8 J1311.13 J1311.14 J1311.19 J1311.20 J1311.25 J1311.26 J1311.31 J1311.32 J1311.37 J1311.38 J1311.43 J1311.44 J1311.49 J1311.50 J1311.55 J1311.56 J1311.61 J1311.62 J1311.67 J1311.68 J1311.73 J1311.74 J1311.79 J1311.80 J1311.86 J1311.89 J1311.90 J1311.94 J1311.99 J1311.100 J1312.9 J1312.10 J1312.65 J1312.66 J1312.71 J1312.72 J1312.77 J1312.78 J1312.83 J1312.84 OSC1.2 P1.1 P1.4 P1.7 P1.10 P1.13 P1.16 P1.19 P1.25 P1.26 P3.5 P3.8 P3.11 P3.14 P3.17 P3.20 P3.31 P3.32 P3.34 P3.MT1 P3.MT2 Q1.2 Q3.2 Q8.1 Q8.4 Q19.2 Q22.1 Q23.1 R12.2 R19.1 R22.1 R24.1 R31.1 R32.1 R33.1 R35.2 R47.1 R54.1 R70.1 R75.1 R77.1 R79.1 R81.1 R82.1 R84.1 R85.1 R86.1 R89.1 R93.1 R98.2 R99.1 R109.2 R110.2 R115.1 R123.2 R124.1 R125.2 R127.2 R138.1 R139.1 R142.1 R163.2 R164.1 R165.1 R166.1 R175.2 R193.1 R194.1 R196.1 R197.1 R204.1 SH1.1 SH2.1 SH3.1 SH4.1 SSH1.1 SSH2.1 SSH3.1 SSH4.1 TP36.1 TP37.1 TP41.1 TP42.1 TP43.1 TP44.1 TP72.1 U1.7 U1.12 U1.20 U1.21 U2.46 U2.49 U3.2 U3.5 U3.6 U3.7 U3.8 U4.5 U4.6 U4.7 U4.8 U5.19 U6.B3 U6.C3 U6.D3 U7.C1 U7.C2 U8.B1 U8.B2 U8.B3 U9.10 U10.B1 U10.B2 U10.B3 U11.B1 U11.B2 U12.4 U12.9 U12.11 U13.B3 U13.C3 U13.D3 U14.A4 U14.B4 U14.C1 U14.C4 U15.5 U15.13 U15.14 U15.21 U16.B1 U16.B2 U16.B3 U17.B1 U17.B2 U18.41 U19.2 U19.25 U20.11 U20.21 U21.2 Y1.3 Y2.2 Y2.4
GND_CHASSIS: C82.2 C147.1 J11.SH1 J11.SH2 R84.2 R193.2 R194.2
V3V3_VIO: C83.1 D37.1 D37.3 R72.2 R73.2 R87.2 R88.2 R92.2 U19.5
VBUS_CP210X: C86.1 C87.1 FB5.2 U19.7 U19.8
VBUS_CTRL: R12.1 R14.2 U14.A1
VBUS_DT: TP6.1 U14.B1
VDD_3V3: J1310.94 J1310.96 J1310.98 J1310.100 R74.1 R78.1 R141.2 TP49.1
VDDA_1V8: J1310.91 J1310.93 J1310.95 J1310.97 J1310.99 R13.2 R17.2 TP53.1
VIN_CC1: ESD17.2 J2.A5 R33.2
VIN_CC2: ESD6.2 J2.B5 R32.2
ANALOG_1V8: C35.1 C36.1 C37.1 C38.1 C39.1 C40.1 FB3.2 TP13.1 U2.6 U2.7 U2.21
ANALOG_3V3: C32.1 FB2.2 R174.1 TP12.1
BB_1V8: C34.1 C100.1 C113.1 C114.1 C131.2 FB3.1 L3.2 P3.23 Q8.2 Q8.5 R6.1 R7.1 R8.1 R9.1 R10.1 R60.2 R128.1 R144.2 R167.2 R168.2 R211.2 TP35.1 U5.5 U20.2
